# Altium PCB FOC_DRIVER.PcbDoc (part 3 of 4)
Units mil, origin at the board's own origin, x right, y up, seen from the top; angles counter-clockwise.
Board outline 1968.5 x 1968.5 mil, 4 copper layers (Top Layer, POWER, GND, Bottom Layer), stack 23.756 mil thick; 167 components, 132 nets, 818 pads, 2345 vias.
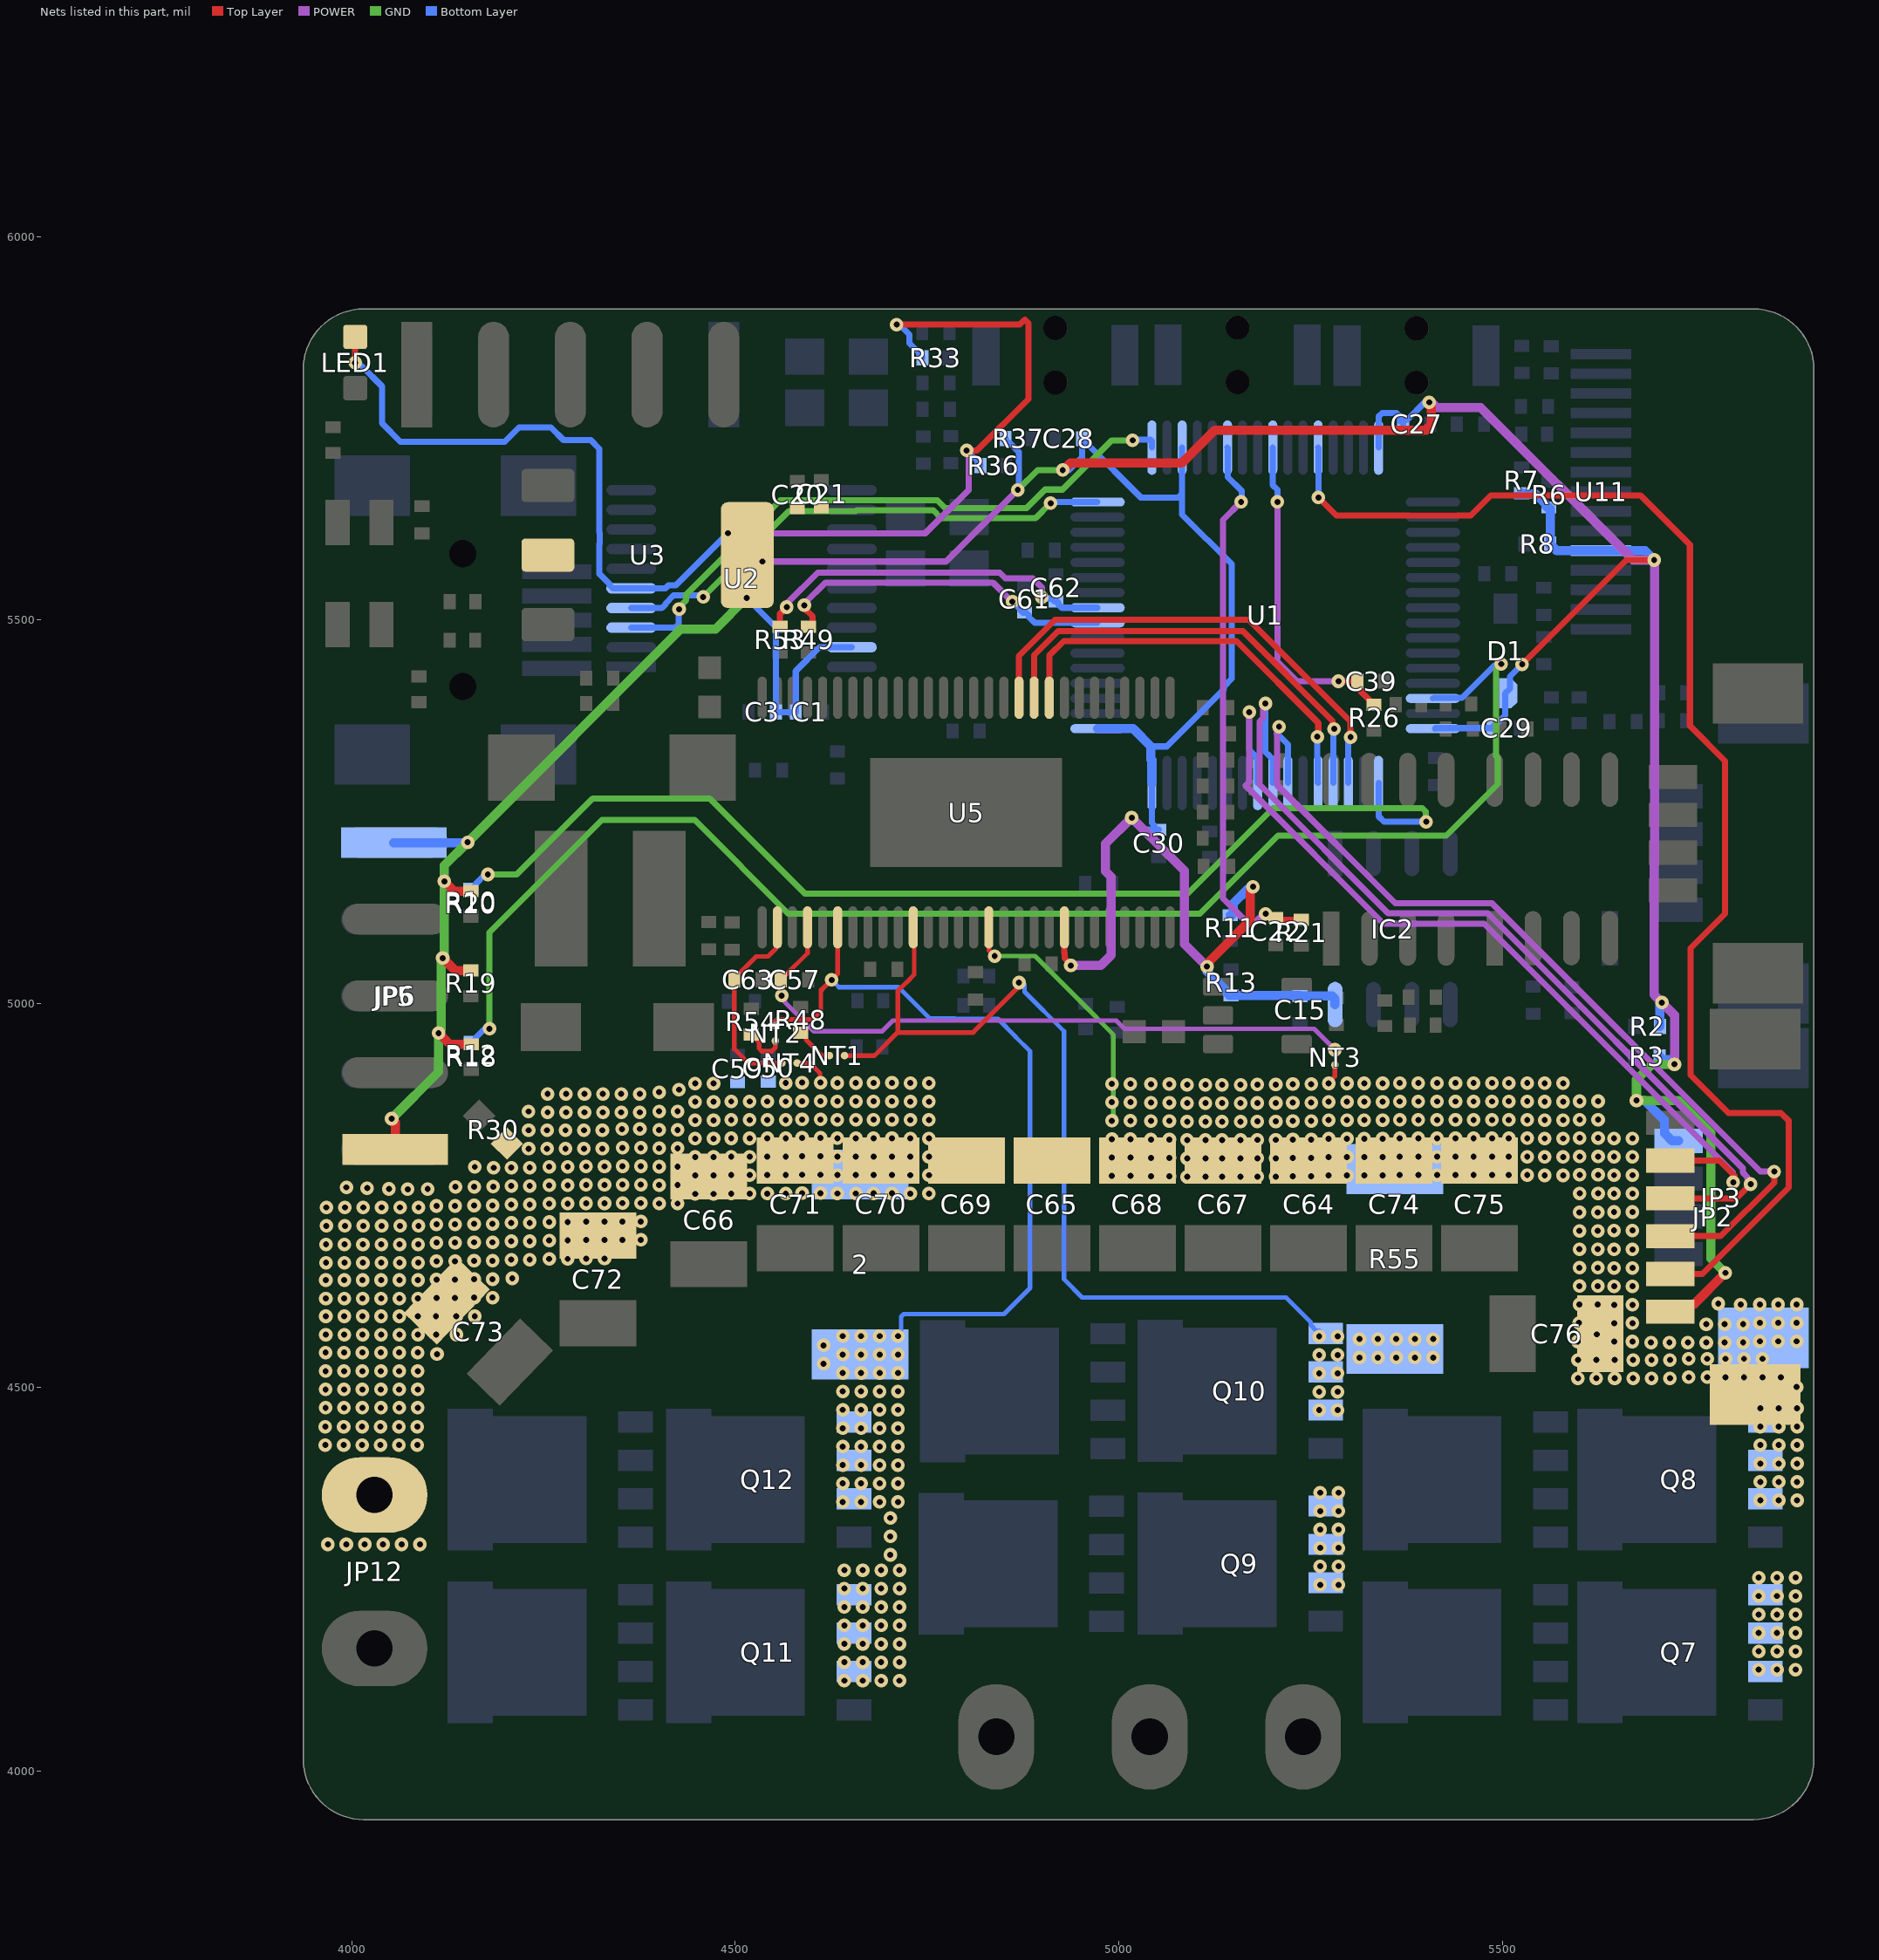
[diagram p5: the nets of this part, all layers, seen from the top]

## Via types
v1: diameter 17.72, hole 7.87, Top Layer to Bottom Layer, 2327 vias
v2: diameter 27.56, hole 11.81, Top Layer to Bottom Layer, 18 vias

## Nets (pads, with @x,y where several pads share a name; then routed paths per layer and width w, separated by ;. In a path a pad name is that pad's centre, name@x,y a point inside that pad or via, vN(x,y) a via of type N, cw(c..) or ccw(c..) an arc to the next point about the centre after c; other vN are vias at no path point) (continued)
SL_A: 2.1 C50.2 C59.1 C64.1 C65.1 C66.1 C67.1 C68.1 C69.1 C70.1 C71.1 C72.1 C73.1 C74.1 C75.1 C76.1 JP2.0@5828.74,4490.87 JP3.0@5839.57,4564.69 JP12.1 NT3.2 NT4.2 Q7.S Q8.S R30.1 R55.1 U5.44 | length 423.1
  Top Layer w6: NT4.2@4580.5,4922.9 4597.1,4922.9 4610.22,4909.78 4610.22,4898.08 v1(4611,4897.3) ; U5.44@4830.33,5099.69 4830.73,5099.29 4830.73,5069.37 v1@4840.9,5059.2 ; v1(5273.1,4896.4) 5273.1,4897.67 5281.2,4905.77 5281.2,4918.4 NT3.2@5281.1,4918.5
  GND w6: v1(4837.94,5062.16) 4838.07,5062.29 4890.35,5062.29 4950.6,5002.04 4992.6,4960.04 4992.6,4855 v1@4994.5,4853.1
  other v1: 5833.5,4132.3 5857.5,4132.3 5881.5,4132.3 5833.5,4156.3 5857.5,4156.3 5881.5,4156.3 5833.5,4180.3 5857.5,4180.3 5881.5,4180.3 5833.5,4204.3 5857.5,4204.3 5881.5,4204.3 5833.5,4228.3 5857.5,4228.3 5881.5,4228.3 5833.5,4252.3 5857.5,4252.3 5881.5,4252.3 3969.1,4295.6 3993.1,4295.6 4017.1,4295.6 4041.1,4295.6 4065.1,4295.6 4089.1,4295.6 5835.6,4353 5859.6,4353 5883.6,4353 5835.6,4377 5859.6,4377 5883.6,4377 5835.6,4401 5859.6,4401 5883.6,4401 3965.7,4425 3989.7,4425 4013.7,4425 4037.7,4425 4061.7,4425 4085.7,4425 5835.6,4425 5859.6,4425 5883.6,4425 3965.7,4449 3989.7,4449 4013.7,4449 4037.7,4449 4061.7,4449 4085.7,4449 5835.6,4449 5859.6,4449 5883.6,4449 5835.6,4473 5859.6,4473 5883.6,4473 3966.1,4473.6 3990.1,4473.6 4014.1,4473.6 4038.1,4473.6 4062.1,4473.6 4086.1,4473.6 3966.1,4497.6 3990.1,4497.6 4014.1,4497.6 4038.1,4497.6 4062.1,4497.6 4086.1,4497.6 5882.9,4500.7 5597.9,4512 5621.9,4512 5645.9,4512 5669.9,4512 5693.9,4512 5717.9,4512 5742.4,4513.5 5766.4,4513.5 5790.4,4513.5 5814.4,4513.5 5838.4,4513.5 5862.4,4513.5 3966.1,4521.5 3990.1,4521.5 4014.1,4521.5 4038.1,4521.5 4062.1,4521.5 4086.1,4521.5 5597.9,4536 5621.9,4536 5645.9,4536 5669.9,4536 5693.9,4536 5717.9,4536 5742.4,4537.5 5766.4,4537.5 5790.4,4537.5 5814.4,4537.5 5838.4,4537.5 4111.3,4543.5 3966.1,4545.5 3990.1,4545.5 4014.1,4545.5 4038.1,4545.5 4062.1,4545.5 4086.1,4545.5 5693.2,4558.6 5717.2,4558.6 5741.2,4558.6 5765.2,4558.6 5789.2,4558.6 5813.2,4558.6 5597.8,4559.9 5645.1,4559.9 5669.1,4559.9 5834.9,4560.2 5858.9,4560.2 5882.9,4560.2 3966.4,4568.9 3990.4,4568.9 4014.4,4568.9 4038.4,4568.9 4062.4,4568.9 4086.4,4568.9 4110.1,4569.2 4136.7,4569 5622.6,4569.3 5765.2,4582.6 5789.2,4582.6 5813.2,4582.6 5599.3,4584.3 5645.1,4583.9 5669.1,4583.9 5834.9,4584.2 5858.9,4584.2 5882.9,4584.2 3966.4,4592.9 3990.4,4592.9 4014.4,4592.9 4038.4,4592.9 4062.4,4592.9 4086.4,4592.9 4109.9,4593.1 4136.4,4593.1 4160.5,4592.9 5599.9,4608.2 5623.9,4608.2 5645.1,4607.9 5669.1,4607.9 5809.9,4608 5834.9,4608.2 5858.9,4608.2 5882.9,4608.2 5780.8,4609.4 3966.4,4616.1 3990.4,4616.1 4014.4,4616.1 4038.4,4616.1 4062.4,4616.1 4086.4,4616.1 4110.7,4616.7 4134.7,4616.7 4159.7,4617.2 4183.7,4617.2 5599.9,4632.2 5623.9,4632.2 5645.1,4631.9 5669.1,4631.9 3966.4,4640.1 3990.4,4640.1 4014.4,4640.1 4038.4,4640.1 4062.4,4640.1 4086.4,4640.1 4110.7,4640.7 4134.7,4640.7 4159.7,4641.2 4183.7,4641.2 4209.4,4642.3 5599.9,4656.2 5623.9,4656.2 5645.1,4655.9 5669.1,4655.9 3966.7,4662.6 3990.7,4662.6 4014.7,4662.6 4038.7,4662.6 4062.7,4662.6 4086.7,4662.6 4110.7,4664.7 4134.7,4664.7 4159.7,4665.2 4183.7,4665.2 4208.1,4666.6 4232.1,4666.6 4257.6,4667.6 4281.6,4667.6 4305.6,4668.1 4329.6,4668.1 5599.9,4680.2 5623.9,4680.2 5645.1,4679.9 5669.1,4679.9 3966.7,4686.6 3990.7,4686.6 4014.7,4686.6 4038.7,4686.6 4062.7,4686.6 4086.7,4686.6 4110.7,4688.7 4134.7,4688.7 4159.7,4689.2 4183.7,4689.2 4208.1,4690.6 4232.1,4690.6 4257.6,4691.6 4281.6,4691.6 4305.6,4692.1 4329.6,4692.1 4353,4692.4 4377,4692.4 5599.9,4704.2 5623.9,4704.2 5645,4704.7 5669,4704.7 3967.2,4710.7 3991.2,4710.7 4015.2,4710.7 4039.2,4710.7 4063.2,4710.7 4087.2,4710.7 4110.7,4712.7 4134.7,4712.7 4159.7,4713.2 4183.7,4713.2 4208.1,4714.6 4232.1,4714.6 4257.6,4715.6 4281.6,4715.6 4305.6,4716.1 4329.6,4716.1 4353,4716.4 4377,4716.4 5599.9,4728.2 5623.9,4728.2 5645,4728.7 5669,4728.7 3967.2,4734.7 3991.2,4734.7 4015.2,4734.7 4039.2,4734.7 4063.2,4734.7 4087.2,4734.7 4110.7,4736.7 4134.7,4736.7 4159.7,4737.2 4183.7,4737.2 4208.1,4738.6 4232.1,4738.6 4257.6,4739.6 4281.6,4739.6 4305.6,4740.1 4329.6,4740.1 4353,4740.4 4377,4740.4 4400.8,4739.8 4424.8,4739.8 4447.7,4752.3 4471.7,4752.3 4494.7,4752.8 4518.7,4752.8 4541.7,4752.8 4565.7,4752.8 4587,4753.3 4611,4753.3 4633,4752.9 4657,4752.9 4680.1,4753 4704.1,4753 4728.2,4752.7 4752.2,4752.7 5600.3,4753.1 5624.3,4753.1 5645,4752.7 5669,4752.7 4073.2,4758.4 4048.6,4758.8 4099.1,4758.6 4020.2,4759.8 3993.3,4760.8 4135.4,4761.6 4159.9,4761.6 4184.5,4761.8 4208.1,4762.6 4232.1,4762.6 4257.6,4763.6 4281.6,4763.6 4305.6,4764.1 4329.6,4764.1 4353,4764.4 4377,4764.4 4400.8,4763.8 4424.8,4763.8 5041.6,4775.3 5065.6,4775.3 5088.7,4774.6 5112.7,4774.6 5134.3,4774.6 5158.3,4774.6 5180.3,4774.8 5204.3,4774.8 5226.4,4775.3 5250.4,4775.3 4447.7,4776.3 4471.7,4776.3 4990.8,4775.7 5014.8,4775.7 5273.1,4776.4 5297.1,4776.4 5319.5,4776.4 5343.5,4776.4 5554.6,4776.5 5578.6,4776.5 4494.7,4776.8 4518.7,4776.8 4541.7,4776.8 4565.7,4776.8 4587,4777.3 4611,4777.3 4633,4776.9 4657,4776.9 4680.1,4777 4704.1,4777 4728.2,4776.7 4752.2,4776.7 5365.9,4776.8 5389.9,4776.8 5414.4,4776.8 5438.4,4776.8 5462,4776.8 5486,4776.8 5507.93,4776.84 5531.93,4776.84 5600.3,4777.1 5624.3,4777.1 5645,4776.7 5669,4776.7 4185.1,4786.4 4208.1,4786.6 4232.1,4786.6 4160.5,4787.5 4257.6,4787.6 4281.6,4787.6 4305.6,4788.1 4329.6,4788.1 4353,4788.4 4377,4788.4 4400.8,4787.8 4424.8,4787.8 5041.6,4799.3 5065.6,4799.3 5088.7,4798.6 5112.7,4798.6 5134.3,4798.6 5158.3,4798.6 5180.3,4798.8 5204.3,4798.8 5226.4,4799.3 5250.4,4799.3 4447.7,4800.3 4471.7,4800.3 4990.8,4799.7 5014.8,4799.7 5273.1,4800.4 5297.1,4800.4 5319.5,4800.4 5343.5,4800.4 5554.6,4800.5 5578.6,4800.5 4494.7,4800.8 4518.7,4800.8 4541.7,4800.8 4565.7,4800.8 4587,4801.3 4611,4801.3 4633,4800.9 4657,4800.9 4680.1,4801 4704.1,4801 4728.2,4800.7 4752.2,4800.7 5365.9,4800.8 5389.9,4800.8 5414.4,4800.8 5438.4,4800.8 5462,4800.8 5486,4800.8 5507.93,4800.84 5531.93,4800.84 5600.3,4801.1 5624.3,4801.1 5645,4800.7 5669,4800.7 4230.7,4811.3 4254.7,4811.3 4278.7,4811.3 4302.7,4811.3 4326.7,4811.3 4353,4812.4 4377,4812.4 4400.8,4811.8 4424.8,4811.8 5041.6,4823.3 5065.6,4823.3 5088.7,4822.6 5112.7,4822.6 5134.3,4822.6 5158.3,4822.6 5180.3,4822.8 5204.3,4822.8 5226.4,4823.3 5250.4,4823.3 4447.7,4824.3 4471.7,4824.3 4990.8,4823.7 5014.8,4823.7 5273.1,4824.4 5297.1,4824.4 5319.5,4824.4 5343.5,4824.4 5554.6,4824.5 5578.6,4824.5 4494.7,4824.8 4518.7,4824.8 4541.7,4824.8 4565.7,4824.8 4587,4825.3 4611,4825.3 4633,4824.9 4657,4824.9 4680.1,4825 4704.1,4825 4728.2,4824.7 4752.2,4824.7 5365.9,4824.8 5389.9,4824.8 5414.4,4824.8 5438.4,4824.8 5462,4824.8 5486,4824.8 5507.93,4824.84 5531.93,4824.84 5600.3,4825.1 5624.3,4825.1 5645,4824.7 5669,4824.7 4230.7,4835.3 4254.7,4835.3 4278.7,4835.3 4302.7,4835.3 4326.7,4835.3 4400.8,4835.8 4424.8,4835.8 4352.4,4836.8 4375.6,4837 5041.6,4847.3 5065.6,4847.3 5088.7,4846.6 5112.7,4846.6 5134.3,4846.6 5158.3,4846.6 5180.3,4846.8 5204.3,4846.8 5226.4,4847.3 5250.4,4847.3 4447.7,4848.3 4471.7,4848.3 4990.8,4847.7 5014.8,4847.7 5273.1,4848.4 5297.1,4848.4 5319.5,4848.4 5343.5,4848.4 5554.6,4848.5 5578.6,4848.5 4494.7,4848.8 4518.7,4848.8 4541.7,4848.8 4565.7,4848.8 4587,4849.3 4611,4849.3 4633,4848.9 4657,4848.9 4680.1,4849 4704.1,4849 4728.2,4848.7 4752.2,4848.7 5365.9,4848.8 5389.9,4848.8 5414.4,4848.8 5438.4,4848.8 5462,4848.8 5486,4848.8 5507.93,4848.84 5531.93,4848.84 5600.3,4849.1 5624.3,4849.1 4255.4,4858.6 4279.4,4858.6 4303.4,4858.6 4327.4,4858.6 4351.4,4858.6 4375.4,4858.6 4230.6,4859.7 4400.8,4859.8 4424.8,4859.8 5041.6,4871.3 5065.6,4871.3 5088.7,4870.6 5112.7,4870.6 5134.3,4870.6 5158.3,4870.6 5180.3,4870.8 5204.3,4870.8 5226.4,4871.3 5250.4,4871.3 4447.7,4872.3 4471.7,4872.3 4990.8,4871.7 5014.8,4871.7 5273.1,4872.4 5297.1,4872.4 5319.5,4872.4 5343.5,4872.4 5554.6,4872.5 5578.6,4872.5 4494.7,4872.8 4518.7,4872.8 4541.7,4872.8 4565.7,4872.8 4587,4873.3 4611,4873.3 4633,4872.9 4657,4872.9 4680.1,4873 4704.1,4873 4728.2,4872.7 4752.2,4872.7 5365.9,4872.8 5389.9,4872.8 5414.4,4872.8 5438.4,4872.8 5462,4872.8 5486,4872.8 5507.93,4872.84 5531.93,4872.84 5600.3,4873.1 5624.3,4873.1 4255.4,4882.6 4279.4,4882.6 4303.4,4882.6 4327.4,4882.6 4351.4,4882.6 4375.4,4882.6 4400.8,4884.8 4426.7,4888.1 5041.6,4895.3 5065.6,4895.3 5088.7,4894.6 5112.7,4894.6 5134.3,4894.6 5158.3,4894.6 5180.3,4894.8 5204.3,4894.8 5226.4,4895.3 5250.4,4895.3 4447.7,4896.3 4471.7,4896.3 4990.8,4895.7 5014.8,4895.7 5297.1,4896.4 5319.5,4896.4 5343.5,4896.4 5554.6,4896.5 5578.6,4896.5 4565.7,4896.8 4587,4897.3 4633,4896.9 4657,4896.9 4680.1,4897 4704.1,4897 4728.2,4896.7 4752.2,4896.7 5365.9,4896.8 5389.9,4896.8 5414.4,4896.8 5438.4,4896.8 5462,4896.8 5486,4896.8 5507.93,4896.84 5531.93,4896.84
SL_B: NT1.2 Q9.S Q10.S R55.2 U5.39 | length 1188.2
  Top Layer w6: NT1.2@4639.8,4932.5 4681.44,4932.5 4711.64,4962.7 ; U5.39@4733.01,5085.7 4733.01,5038.16 4727.09,5032.23 4727.09,5031.84 4722.4,5027.16 4722.02,5027.16 4711.64,5016.78 4711.64,4962.7 ; v1(4869.7,5027.7) 4869.7,5022.41 4809.99,4962.7 4711.64,4962.7
  Bottom Layer w6: v1(4869.7,5027.7) 4874.21,5027.7 4875.11,5026.8 4876.81,5025.1 4876.81,5015.69 4928.28,4964.22 4928.28,4641.12 4952,4617.4 5217.6,4617.4 5249.73,4585.27 5249.73,4581.33 5256.86,4574.2 5260.8,4574.2 v1(5260.8,4566.5)
  other v1: 5262,4243 5286,4243 5262,4267 5286,4267 5262,4291 5286,4291 5262,4315 5286,4315 5262,4339 5286,4339 5262,4363 5286,4363 5260.8,4470.5 5284.8,4470.5 5260.8,4494.5 5284.8,4494.5 5260.8,4518.5 5284.8,4518.5 5313.35,4539.11 5337.35,4539.11 5361.35,4539.11 5385.35,4539.11 5409.35,4539.11 5260.8,4542.5 5284.8,4542.5 5313.35,4563.11 5337.35,4563.11 5361.35,4563.11 5385.35,4563.11 5409.35,4563.11 5284.8,4566.5
SL_C: 2.2 NT2.2 Q11.S Q12.S U5.34 | length 1005.8
  Top Layer w6: NT2.2@4552.2,4971.48 4552.2,4977.45 4554.53,4979.78 4600.55,4979.78 4611.6,4990.82 4611.6,5018.43 4612.83,5018.43 v1(4625.6,5031.2) 4625.6,5031.4 4633.48,5039.28 U5.34@4633.48,5099.69
  Bottom Layer w6: v1(4625.6,5031.2) 4635.08,5021.72 4648.05,5021.72 4648.18,5021.84 4712.36,5021.84 4753.3,4980.9 4785.52,4980.9 4786.06,4980.36 4842.18,4980.36 4865.31,4957.24 4865.31,4956.88 4884.1,4938.09 4884.1,4629.7 4850.2,4595.8 4719.66,4595.8 4716.14,4592.28 4716.14,4574.31 4712,4570.17 v1(4712,4567)
  other v1: 4642,4118 4666,4118 4690,4118 4714,4118 4642,4142 4666,4142 4690,4142 4714,4142 4642,4166 4666,4166 4690,4166 4714,4166 4642,4190 4666,4190 4690,4190 4714,4190 4642,4214 4666,4214 4690,4214 4714,4214 4642,4238 4666,4238 4690,4238 4714,4238 4642,4262 4666,4262 4690,4262 4714,4262 4702,4282 4702,4306 4702,4330 4640,4351 4664,4351 4688,4351 4712,4351 4640,4375 4664,4375 4688,4375 4712,4375 4640,4399 4664,4399 4688,4399 4712,4399 4640,4423 4664,4423 4688,4423 4712,4423 4640,4447 4664,4447 4688,4447 4712,4447 4640,4471 4664,4471 4688,4471 4712,4471 4640,4495 4664,4495 4688,4495 4712,4495 4640,4519 4664,4519 4688,4519 4712,4519 4615,4531 4640,4543 4664,4543 4688,4543 4712,4543 4615,4555 4640,4567 4664,4567 4688,4567
SN1: NT1.1 R48.2 | length 50.3
  Top Layer w6: R48.2@4587.07,4962.19 R48.2@4585.1,4962.19 R48.2@4587.11,4960.17 ; R48.2@4587.27,4960.09 4592.14,4955.21 4592.14,4953.24 4612.88,4932.5 NT1.1@4620.11,4932.5
SN2: NT2.1 R54.2 | length 57
  Top Layer w6: R54.2@4520.9,4960.09 4522.87,4960.09 4527.74,4955.21 4527.74,4953.24 4531,4949.98 4531,4941.81 4534.51,4938.3 4547.4,4938.3 4552.2,4943.1 NT2.1@4552.2,4951.8
SO1: C61.1 R49.1 U1.8 | length 454.4
  Top Layer w8: v1(4589.9,5519.36) 4589.9,5515.64 4600.67,5504.87 4600.67,5495.33 4596.79,5491.45 R49.1@4595.4,5491.45
  POWER w8: v1(4589.9,5519.36) 4589.9,5521.42 4617.54,5549.06 4835.64,5549.06 4860.6,5524.1 v1(4861.06,5524.1)
  Bottom Layer w8: v1(4861.06,5524.1) 4861.41,5524.1 4870.96,5514.56 4870.96,5513.76 4874.83,5509.88 4878.77,5509.88 4882.64,5506.01 4882.64,5504.04 4890.23,5496.46 U1.8@4972,5496.46
SO2: C62.1 R53.1 U1.9 | length 487.5
  Top Layer w8: R53.1@4558.3,5491.45 4558.3,5508.2 v1(4567.1,5517)
  POWER w8: v1(4567.1,5517) 4567.1,5521.82 4607.34,5562.06 4844.33,5562.06 4851.89,5554.5 4887.5,5554.5 4899.4,5542.6 v1(4899.4,5529.9)
  Bottom Layer w8: v1(4899.4,5529.9) 4901.26,5528.04 4912.17,5528.04 4915.83,5524.38 C62.1@4917.8,5524.38 ; C62.1@4914.6,5527.08 4916.57,5527.08 4920.44,5523.21 4920.44,5521.24 4925.54,5516.14 U1.9@4972,5516.14
SP1: C57.2 NT3.1 U5.32 | length 869.4
  Top Layer w6: v1(4560.54,5010.76) 4559.39,5011.91 C57.2@4559.39,5031.3 4559.39,5033.27 4564.26,5038.15 4566.23,5038.15 4594.11,5066.02 U5.32@4594.11,5099.69
  POWER w6: v1(4560.54,5010.76) 4560.54,5007.59 4564.87,5003.26 4564.87,5001.83 4602.5,4964.2 4691.22,4964.2 4694.32,4967.3 4705.22,4978.2 4996.42,4978.2 5007.32,4967.3 5254.2,4967.3 v1(5281.4,4940.1)
SP2: C63.2 NT4.1 U5.30 | length 260.5
  Top Layer w6: U5.30@4554.74,5099.69 4553.63,5098.58 4553.63,5072.63 4542.7,5061.7 4527.22,5061.7 4498.69,5033.17 C63.2@4498.69,5031.2 4498.69,4941.11 4516.9,4922.9 NT4.1@4560.81,4922.9
SPI1_CS: JP2.2 U1.28 | length 1765.9
  Top Layer w8: v1(5259.8,5659.8) 5283.26,5636.34 5458.16,5636.34 5484.51,5662.69 5679.61,5662.69 5743.9,5598.4 5743.9,5362.4 5789.74,5316.56 5789.74,5117.44 5744.74,5072.44 5744.74,4907.16 5794.2,4857.7 5862.6,4857.7 5872.5,4847.8 5872.5,4760.7 5759.88,4648.08 JP2.2@5718.09,4648.08
  Bottom Layer w8: U1.28@5259.4,5724.8 5259.8,5724.4 v1(5259.8,5659.8)
SPI1_MISO: JP2.4 U1.56 | length 1190.8
  Top Layer w8: JP2.4@5718.09,4746.5 5804.46,4746.5 v1(5823.05,4765.05)
  POWER w8: v1(5190.7,5391.4) 5187.66,5388.36 5187.66,5372.7 5183.2,5368.24 5183.2,5285.53 5350.63,5118.1 5480.48,5118.1 5812.7,4785.88 5812.7,4780.41 5818.81,4774.31 5818.81,4771.92 5823.05,4767.68 v1(5823.05,4765.05)
  Bottom Layer w8: v1(5190.7,5391.4) 5190.7,5328.36 5195.56,5323.5 5195.56,5323.13 5200.34,5318.35 U1.56@5200.34,5287.8
SPI1_MOSI: JP2.5 U1.57 | length 1152.4
  Top Layer w8: JP2.5@5718.09,4795.72 5782.18,4795.72 5801.99,4775.91 5801.99,4769.29 v1(5800.28,4767.58)
  POWER w8: v1(5169.8,5380.1) 5169.8,5289.18 5164.91,5284.29 5344.8,5104.4 5475.8,5104.4 5799.7,4780.5 5799.7,4768.16 v1(5800.28,4767.58)
  Bottom Layer w8: 5169.77,5334.75 v1(5169.8,5380.1) ; 5169.8,5334.71 5169.8,5330.88 5178.75,5321.92 5178.75,5320.26 5180.66,5318.35 U1.57@5180.66,5287.8
SPI1_SCK: JP2.3 U1.55 | length 1183.6
  Top Layer w8: JP2.3@5718.09,4697.29 5783.99,4697.29 5853.7,4767 v1(5853.7,4781.5)
  POWER w8: v1(5208.56,5361.2) 5205.76,5358.4 5205.76,5351.7 5205.71,5351.66 5205.71,5285.42 5360.03,5131.1 5485.87,5131.1 5835.47,4781.5 v1(5853.7,4781.5)
  Bottom Layer w8: 5205.34,5352.63 5220.03,5337.94 U1.55@5220.03,5287.8
SPI_MISO: U1.52 U5.10 | length 588.1
  Top Layer w8: U5.10@4889.38,5398.91 4889.38,5454.5 4920.61,5485.72 5161.38,5485.72 5278.34,5368.76 5278.34,5360.16 v1(5280.2,5358.3)
  Bottom Layer w8: U1.52@5279.08,5287.8 5279.08,5357.18 v1(5280.2,5358.3)
SPI_MOSI: U1.53 U5.9 | length 536.8
  Top Layer w8: U5.9@4909.07,5398.91 4909.07,5453.79 4928,5472.72 5153.02,5472.72 5259.67,5366.07 5259.67,5349.37 v1(5258.3,5348)
  Bottom Layer w8: v1(5258.3,5348) 5258.3,5321.12 5258.67,5320.75 5258.67,5288.53 U1.53@5259.4,5287.8
SPI_SCK: U1.51 U5.11 | length 641.8
  Top Layer w8: U5.11@4869.7,5398.91 4869.7,5453.2 4916.8,5500.3 5169,5500.3 5301.34,5367.96 5301.34,5347.86 v1(5301.7,5347.5)
  Bottom Layer w8: U1.51@5298.77,5287.8 5298.77,5341.94 5301.7,5344.87 v1(5301.7,5347.5)
SWCLK: R10.1 U1.49 | length 1515.4
  GND w8: v1(4177.6,5168.6) 4215.1,5168.6 4314,5267.5 4466.8,5267.5 4590.7,5143.6 5089.36,5143.6 5200.9,5255.14 5395.17,5255.14 5399.86,5250.45 5399.86,5237.64 v1(5400.2,5237.3)
  Bottom Layer w8: R10.1@4155.4,5149.95 4157.37,5149.95 4161.25,5153.83 4161.25,5155.79 4174.05,5168.6 v1(4177.6,5168.6) ; U1.49@5338.14,5287.8 5338.14,5244.46 5345.3,5237.3 v1(5400.2,5237.3)
SWDIO: R12.1 U1.46 | length 1919.9
  GND w8: v1(4179.6,4967.6) 4179.6,5092.92 4326.18,5239.5 4447.1,5239.5 4569,5117.6 5105.28,5117.6 5207.08,5219.4 5426.5,5219.4 5493.54,5286.44 5493.54,5320.59 5491.4,5322.73 5491.4,5436.32 v1(5497.93,5442.85)
  Bottom Layer w8: R12.1@4155.9,4950.25 4157.87,4950.25 4161.75,4954.13 4161.75,4956.09 4173.25,4967.6 v1(4179.6,4967.6) ; U1.46@5409,5398.03 5409.73,5398.76 5446.97,5398.76 5489.2,5440.99 5496.07,5440.99 v1(5497.93,5442.85)
TEMP: C39.1 R26.2 U1.25 | length 438.5
  Top Layer w8: v1(5286,5420.4) 5286.1,5420.3 C39.1@5310.48,5420.3 5314.36,5416.43 5314.36,5407.66 5326.36,5395.66 5326.36,5393.69 5330.23,5389.81 R26.2@5332.2,5389.81
  POWER w8: v1(5206.4,5654.2) 5206.4,5450.4 5204.2,5448.2 5232,5420.4 v1(5286,5420.4)
  Bottom Layer w8: U1.25@5200.34,5724.8 5200.34,5675.91 5206.4,5669.86 v1(5206.4,5654.2)
USART_2_RX: U1.17 U2.3 | length 814.3
  GND w8: v1(4426.81,5514.29) 4426.81,5516.92 4436.1,5526.21 4436.1,5533.46 4539.14,5636.5 4558.79,5656.15 4763.31,5656.15 4773.32,5646.14 4879.45,5646.14 4903.48,5670.18 4926.48,5670.18 4990.64,5734.34 v1(5017.6,5734.34)
  Bottom Layer w8: U2.3@4364.4,5490.22 4421.32,5490.22 4426.01,5494.91 4426.01,5513.49 v1(4426.81,5514.29) ; v1(5017.6,5734.34) 5018.46,5735.2 5041.1,5735.2 5042.86,5733.44 U1.17@5042.86,5724.8
USART_2_TX: U1.16 U2.4 | length 678.7
  GND w8: v1(4458.1,5530.2) 4569.75,5641.85 4656.78,5641.85 4658.08,5643.15 4757.93,5643.15 4767.93,5633.14 4891.33,5633.14 4910.51,5652.32 v1(4910.88,5652.32)
  Bottom Layer w8: U2.4@4364.4,5515.81 4404.26,5515.81 4408.95,5520.5 4408.95,5521.69 4419.41,5532.15 4453.52,5532.15 4455.47,5530.2 v1(4458.1,5530.2) ; v1(4910.88,5652.32) 4909.26,5653.94 U1.16@4972,5653.94
VBUS_S: C22.1 R21.2 U1.22 | length 726.7
  Top Layer w8: v1(5190.96,5117.37) 5192.82,5115.51 5200.81,5115.51 C22.1@5204.2,5112.12 5206.7,5109.61 R21.2@5237.5,5109.61
  POWER w8: v1(5159.07,5654.2) 5135.7,5630.83 5135.7,5137.18 5165.38,5107.5 5178.46,5107.5 5188.33,5117.37 v1(5190.96,5117.37)
  Bottom Layer w8: U1.22@5141.29,5724.8 5141.87,5724.22 5141.87,5686.53 5159.89,5668.51 5159.89,5655.02 v1(5159.07,5654.2)
VCC3v3: C1.1 C3.1 C15.1 C20.1 C21.1 C27.2 C28.2 C29.2 C30.2 D1.2 IC2.8 JP2.1 JP3.1 JP5.1 JP6.1 LED1.A R2.2 R3.2 R6.1 R7.1 R8.1 R11.1 R13.1 R18.2 R19.2 R20.2 R33.1 R36.1 R37.1 U1.1 U1.19 U1.32 U1.48 U1.64 U2.5 U2.19 U3.2 U3.4 U5.49 U11.5 | length 8492.3
  Top Layer w8: v1(4004.6,5835.5) 4004.6,5868.96 LED1.A@4004.8,5869.16 ; v1(4710.15,5885.1) 4870.7,5885.1 4877.2,5891.6 4881.89,5886.91 4881.89,5788.21 4814.94,5721.26 4801.56,5721.26 v1(4801.5,5721.2) ; U5.49@4928.75,5099.69 4928.75,5066.01 4929.09,5065.67 4929.09,5059.55 4937.1,5051.54 v1(4937.1,5050) ; v1(5525.3,5442.4) 5661.3,5578.4 v1(5697.3,5578.4)
  Top Layer w12: v1(4052.2,4850.3) 4056.9,4845.6 JP6.1@4056.9,4810.4 ; v1(4113.3,4961.9) 4127.99,4947.21 R18.2@4155.9,4947.21 ; v1(4118.7,5059.6) 4134.79,5043.51 R19.2@4155.4,5043.51 ; v1(4120.9,5159.6) 4133.59,5146.91 R20.2@4155.4,5146.91 ; v1(4926.63,5695.59) 4927.6,5695.59 4936.61,5704.6 5004.97,5704.6 5081.7,5704.6 5124.8,5747.7 5399.81,5747.7 5406.84,5754.73 5406.84,5777.12 5405.29,5778.66 5405.29,5782.71 v1(5404.2,5783.8) ; v1(5114.67,5048.51) 5114.67,5050.06 5117.53,5052.92 5117.53,5055.33 5171.1,5108.9 5171.1,5147.7 5174.47,5151.07 v1(5174.47,5152.62) ; JP2.1@5718.09,4598.87 5727.83,4608.61 5749.31,4608.61 v1(5790.1,4649.4)
  POWER w8: v1(4490.3,5613.3) 4747.66,5613.3 4803.96,5669.6 4803.96,5718.74 v1(4801.5,5721.2) ; v1(4535.28,5576.4) 4774.8,5576.4 v1(4868.1,5669.7) ; v1(5404.2,5783.8) v1@5405.96,5783.8
  POWER w12: v1(4937.1,5050) 4976.3,5050 4989.8,5063.5 4989.8,5165.65 4982.53,5172.92 4982.53,5208.57 v1(5016.48,5242.52) 5085.4,5173.6 5085.4,5077.79 v1(5114.67,5048.51) ; v1@5405.96,5783.8 5405.96,5783.59 5408.61,5780.94 5410.25,5780.94 5414.09,5777.1 5471.3,5777.1 5670,5578.4 v1(5697.3,5578.4) 5697.96,5577.74 5697.96,5181.57 5697.3,5180.92 5697.3,5011.8 v1(5707.47,5001.63) 5723.76,4985.34 v1(5723.76,4921.22)
  GND w8: v1(4868.1,5669.7) 4893.9,5695.5 4926.54,5695.5 v1(4926.63,5695.59)
  GND w12: v1(4052.2,4850.3) 4113.3,4911.4 v1(4113.3,4961.9) ; v1@4113.3,4963.45 4116.9,4967.05 4116.9,5053.76 4117.61,5054.46 4117.61,5058.51 v1(4118.7,5059.6) 4118.7,5061.15 4120.9,5063.35 v1(4120.9,5159.6) 4120.9,5180.3 v1(4151.2,5210.6) 4428.94,5488.34 4474.14,5488.34 v1(4514.8,5529) ; v1(5723.76,4921.22) 5694.41,4921.22 5681.9,4908.71 5674.3,4901.11 v1(5674.3,4874.1) 5728.9,4874.1 5771.2,4831.8 5771.2,4668.3 v1(5790.1,4649.4)